# KiCad board Turbo_XT_Mainboard R3.kicad_pcb (continued)
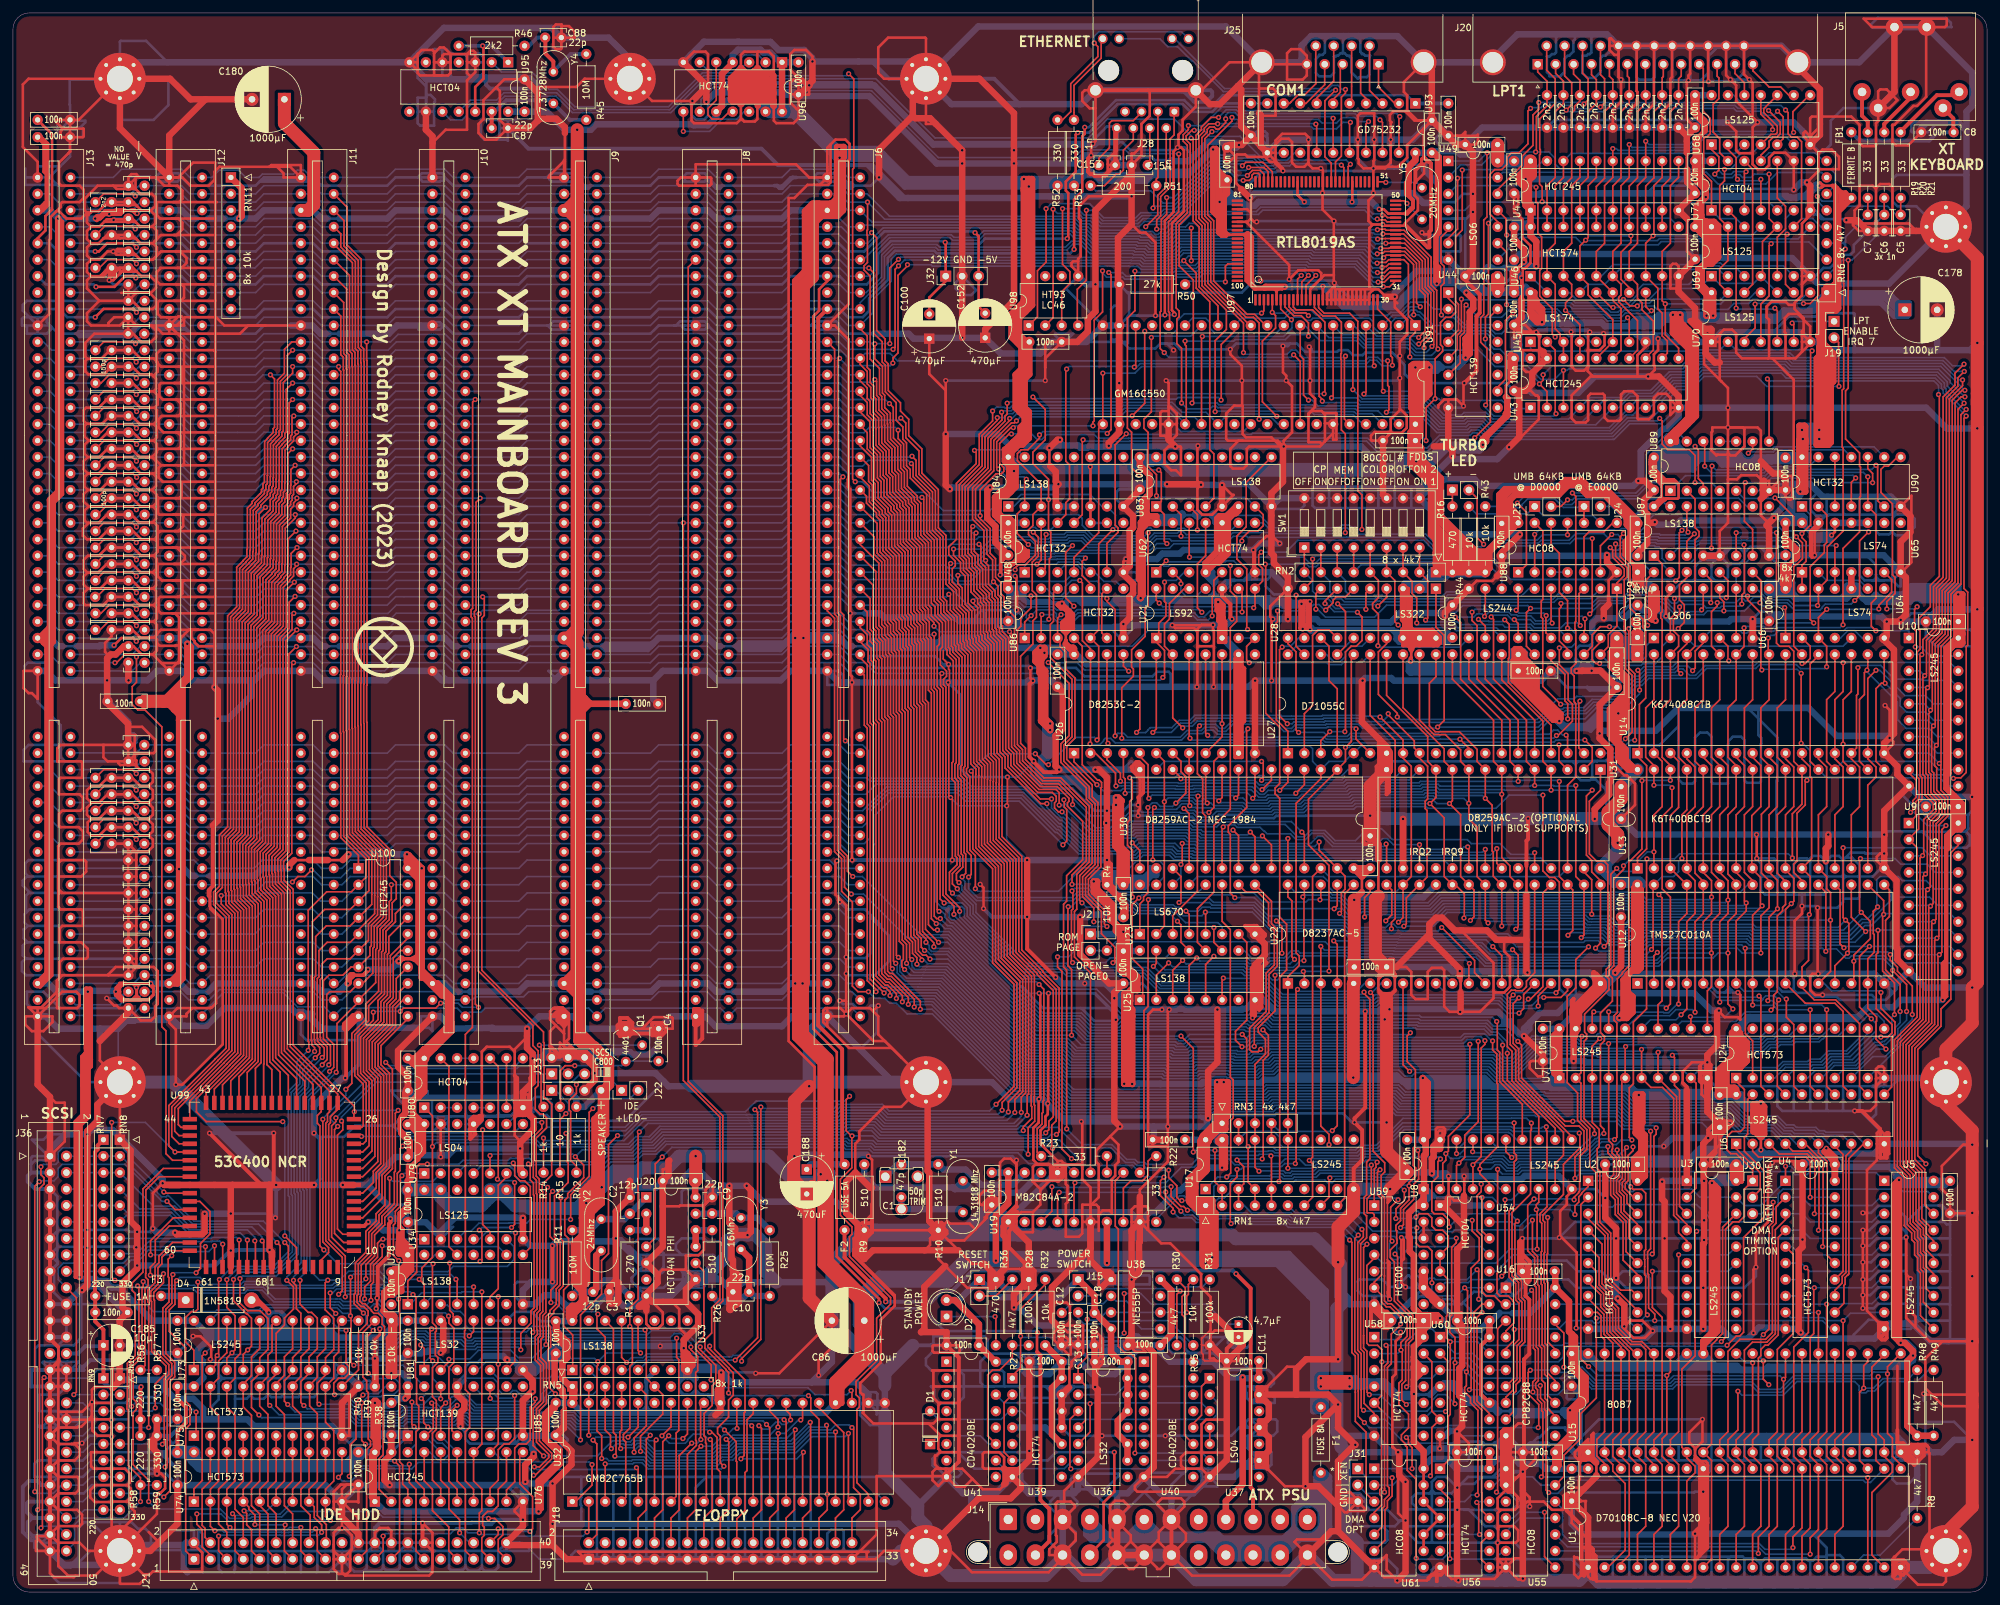
[diagram p0: board, top side]
## Routing (per net, layer and track width the routed paths; a pad name or vN(x,y) marks a point on that pad's centre or on a via; arc(x,y) is an arc through that point) (continued)
  Bottom w0.25: J6.48 128.9,177.8 127.63,179.07 120.01,179.07 118.75,177.8 J8.48 108.58,177.8 107.31,179.07 99.69,179.07 98.42,177.8 J9.48 88.26,177.8 86.99,179.07 79.38,179.07 78.1,177.8 J10.48 67.94,177.8 66.67,179.07 59.05,179.07 57.78,177.8 J11.48 47.62,177.8 46.33,179.09 v1(43.81,179.09) 38.76,179.09 37.46,177.8 J12.48 27.3,177.8 26.03,179.07 C144.1 19.68,179.07 18.41,177.8 J13.48 ; U24.18 269.56,85.41 245.04,85.41 v1(244.99,85.46) 244.62,85.09 241.94,85.09 241.66,85.37 234.68,85.37 231.33,82.02 230.19,82.02 228.82,83.38 194.31,83.38 193.57,82.64 191.69,82.64 191.18,82.14 188.57,82.14 188.43,82.27 182.3,82.27 182.01,81.98 178.69,81.98 178.42,82.25 163.57,82.25 162.17,83.65 157.16,83.65 144.24,96.57 141.06,96.57 141.05,96.58 139.94,96.58 v1(139.57,96.96)
/A15: length 511.8
  Top w0.25: U2.12 250.82,43.46 248.12,46.16 248.07,46.16 246.25,47.99 246.25,55.24 244.57,56.92 244.57,64.64 243.46,65.75 243.46,71.59 242.1,72.95 242.1,78.58 U7.2 242.1,80.17 242.1,85.66 v1(242.25,85.81) ; v1(43.36,181.61) 43.09,181.34 43.09,178.74 42.87,178.53 42.87,177.93 42,177.06 42,177 41.56,176.55 41.56,171.5 41.52,171.47 41.52,170.23 41.31,170.02 41.31,169.35 41.07,169.11 41.07,168.7 40.62,168.25 40.62,166.76 39.35,165.49 39.35,159.77 39.27,159.7 39.27,158.57 38.67,157.97 38.67,157.92 37.69,156.94 37.69,150.84 36.3,149.44 36.3,116.87 35.03,115.6 35.03,108.92 35.13,108.83 35.13,107.1 36.51,105.72 36.51,82.49 34.82,80.8 34.82,80.78 32.36,78.32 U99.41 ; v1(140.33,97.6) 140.33,97.83 139.34,98.81 139.34,100.55 138.65,101.25 138.65,136.2 138.2,136.65 138.2,145.79 137.88,146.11 137.88,148.29 137.3,148.88 137.3,150.08 136.85,150.53 136.85,160.18 135.67,161.36 135.67,166.28 135.12,166.82 135.12,167.37 133.58,168.91 133.58,171.31 133.01,171.88 133.01,175.4 131.9,176.52 131.9,179.05 130.81,180.13 J6.47
  Bottom w0.25: v1(140.33,97.6) 140.67,97.6 141.25,97.02 144.43,97.02 157.35,84.1 162.36,84.1 163.76,82.7 178.6,82.7 178.87,82.43 181.82,82.43 182.11,82.72 188.62,82.72 188.75,82.59 190.99,82.59 191.5,83.09 193.39,83.09 194.13,83.83 229.01,83.83 230.38,82.47 231.14,82.47 234.53,85.85 242.22,85.85 v1(242.25,85.81) 244.32,85.81 244.74,86.23 245.29,86.23 245.66,85.87 267.48,85.87 268.6,87 ; J6.47 128.9,180.34 127.63,181.61 120.01,181.61 118.75,180.34 J8.47 108.58,180.34 107.31,181.61 99.69,181.61 98.42,180.34 J9.47 88.26,180.34 86.99,181.61 79.38,181.61 78.1,180.34 J10.47 67.94,180.34 66.67,181.61 59.05,181.61 57.78,180.34 J11.47 47.62,180.34 46.35,181.61 v1(43.36,181.61) 38.73,181.61 37.46,180.34 J12.47 27.3,180.34 26.03,181.61 C145.1 19.53,181.61 18.26,180.34 J13.47
/A16: length 529.7
  Top w0.25: v1(192.66,83.82) 192.26,83.42 191.28,83.42 190.94,83.76 190.94,87.09 193.48,89.64 193.48,95.56 194.75,96.83 194.75,102.12 193.87,103.01 193.87,106.43 192.2,108.09 190.36,108.09 U23.10 ; U99.42 31.09,77.69 34.37,80.97 34.37,80.99 36.06,82.68 36.06,105.54 34.68,106.92 34.68,108.64 34.58,108.74 34.58,115.79 35.85,117.06 35.85,149.63 37.24,151.03 37.24,157.12 38.22,158.1 38.22,158.15 38.82,158.75 38.82,159.88 38.9,159.95 38.9,165.67 40.17,166.95 40.17,168.43 40.62,168.89 40.62,169.3 40.86,169.53 40.86,170.2 41.07,170.42 41.07,171.65 41.11,171.69 41.11,176.74 41.55,177.18 41.55,177.25 42.42,178.12 42.42,178.71 42.64,178.92 42.64,183.61 v1(43.18,184.15) ; v1(141.6,97.75) 141,98.35 140.45,98.35 139.79,99 139.79,100.74 139.1,101.44 139.1,136.39 138.65,136.84 138.65,145.98 138.33,146.3 138.33,148.48 137.75,149.06 137.75,150.26 137.3,150.71 137.3,160.37 136.12,161.54 136.12,166.46 135.57,167.01 135.57,167.55 134.03,169.09 134.03,171.49 133.46,172.06 133.46,175.59 132.35,176.71 132.35,179.23 132.31,179.27 132.31,180.73 130.81,182.23 J6.46 ; 220.34,62.23 220.76,62.65 220.76,66.2 221.23,66.67 v1(221.23,67.69) 221.63,68.09 221.63,70.38 224.95,73.69 v1(224.95,84.59) ; U2.14 250.82,49.02 248.6,51.24 248.6,57.09 247.4,58.29 247.4,60.57 246.69,61.28 246.69,64 247.14,64.46 247.14,66.93 246.26,67.81 v1(246.26,68.79)
  Bottom w0.25: v1(141.6,97.75) 144.34,97.75 157.54,84.55 162.54,84.55 163.94,83.15 178.79,83.15 179.06,82.88 181.63,82.88 181.92,83.17 188.81,83.17 188.94,83.04 190.81,83.04 191.32,83.54 192.31,83.54 193.05,84.28 224.65,84.28 v1(224.95,84.59) ; v1(221.23,67.69) 221.96,66.97 223.23,66.97 223.49,67.23 228.19,67.23 228.32,67.36 230.14,67.36 231.12,66.37 231.7,66.37 232.25,66.92 243.14,66.92 244.87,68.66 246.13,68.66 v1(246.26,68.79) ; J13.46 18.41,182.88 19.68,184.15 C146.1 26.03,184.15 27.3,182.88 J12.46 37.46,182.88 38.73,184.15 v1(43.18,184.15) 46.35,184.15 47.62,182.88 J11.46 57.78,182.88 59.05,184.15 66.67,184.15 67.94,182.88 J10.46 78.1,182.88 79.38,184.15 86.99,184.15 88.26,182.88 J9.46 98.42,182.88 99.69,184.15 107.31,184.15 108.58,182.88 J8.46 118.75,182.88 120.01,184.15 127.63,184.15 128.9,182.88 J6.46
/A17: length 524.4
  Top w0.25: J6.45 130.81,184.77 131.9,183.69 131.9,181.78 132.76,180.91 132.76,179.45 132.8,179.42 132.8,176.89 133.91,175.78 133.91,172.25 134.48,171.68 134.48,169.28 136.02,167.74 136.02,167.2 136.57,166.65 136.57,161.73 137.75,160.56 137.75,150.9 138.2,150.45 138.2,149.25 138.78,148.67 138.78,146.48 139.1,146.17 139.1,137.02 139.55,136.57 139.55,101.62 140.24,100.93 140.24,99.58 v1(140.75,99.07) ; U2.16 249.5,54.66 249.5,57.46 248.3,58.67 248.3,60.94 247.59,61.66 247.59,63.63 248.04,64.09 248.04,67.3 247.69,67.66 v1(247.69,68.27) ; U23.9 194.32,106.67 194.32,103.2 195.2,102.31 195.2,96.65 193.93,95.38 193.93,89.45 191.66,87.18 v1(191.66,84.27) ; U8.3 222.88,65.87 v1(223.26,66.24) 224.15,67.14 224.15,70.55 226.24,72.63 v1(226.24,85.04) ; v1(43.18,186.69) 42.19,185.7 42.19,179.11 41.97,178.9 41.97,178.31 41.1,177.44 41.1,177.37 40.66,176.93 40.66,171.88 40.62,171.84 40.62,170.61 40.41,170.39 40.41,169.72 40.17,169.48 40.17,169.07 39.72,168.62 39.72,167.14 38.45,165.86 38.45,160.14 38.37,160.07 38.37,158.94 37.77,158.34 37.77,158.29 36.79,157.31 36.79,151.21 35.4,149.82 35.4,117.24 34.13,115.98 34.13,108.55 34.23,108.46 34.23,106.73 35.61,105.35 35.61,82.87 33.92,81.17 33.92,81.15 29.82,77.05 U99.43
  Bottom w0.25: v1(226.24,85.04) 225.96,85.31 224.56,85.31 223.98,84.73 192.13,84.73 v1(191.66,84.27) 191.22,84.27 190.44,83.49 189.13,83.49 188.99,83.62 181.74,83.62 181.45,83.33 179.25,83.33 178.98,83.6 164.13,83.6 162.73,85 157.72,85 144.25,98.47 141.65,98.47 141.05,99.07 v1(140.75,99.07) ; v1(247.69,68.27) 247.48,68.07 245.04,68.07 244.93,67.96 244.81,67.96 243.32,66.47 232.47,66.47 231.92,65.92 230.93,65.92 229.95,66.91 228.51,66.91 228.38,66.78 223.79,66.78 v1(223.26,66.24) ; J6.45 128.9,185.42 127.63,186.69 120.01,186.69 118.75,185.42 J8.45 108.58,185.42 107.31,186.69 99.69,186.69 98.42,185.42 J9.45 88.26,185.42 86.99,186.69 79.38,186.69 78.1,185.42 J10.45 67.94,185.42 66.67,186.69 59.05,186.69 57.78,185.42 J11.45 47.62,185.42 46.35,186.69 v1(43.18,186.69) 38.73,186.69 37.46,185.42 J12.45 27.3,185.42 26.03,186.69 C147.1 19.68,186.69 18.41,185.42 J13.45
/A18: length 518.6
  Top w0.25: U23.7 190.5,100.33 190.5,88.32 188.76,86.58 188.76,85.21 v1(189.76,84.21) ; 27.3,73.03 27.3,75.81 33.02,81.53 33.02,81.55 34.71,83.24 34.71,104.98 33.33,106.36 33.33,108.08 33.23,108.18 33.23,116.35 34.5,117.61 34.5,150.19 35.89,151.59 35.89,157.68 36.87,158.66 36.87,158.71 37.47,159.31 37.47,160.44 37.55,160.51 37.55,166.83 38.27,167.55 38.27,167.81 39.72,169.26 39.72,169.67 39.96,169.9 39.96,170.58 40.17,170.79 40.17,172.02 40.21,172.06 40.21,177.11 40.65,177.56 40.65,177.62 41.52,178.49 41.52,179.09 41.74,179.3 41.74,186.77 43.18,188.21 v1(43.18,189.23) ; U2.18 249.2,60.05 249.2,61.32 248.49,62.03 248.49,63.26 248.94,63.71 248.94,68.45 v1(249.14,68.65) ; U8.4 225.43,65.97 v1(225.42,65.97) 226.69,67.25 226.69,84 227.27,84.57 v1(227.27,85.14) ; v1(140.97,100.32) 140.97,100.84 140,101.81 140,136.76 139.55,137.21 139.55,146.35 139.23,146.67 139.23,148.85 138.65,149.43 138.65,150.64 138.2,151.09 138.2,160.74 137.02,161.91 137.02,166.83 136.47,167.38 136.47,167.93 134.93,169.47 134.93,171.87 134.36,172.44 134.36,175.96 133.25,177.08 133.25,179.6 133.21,179.64 133.21,181.1 132.35,181.97 132.35,183.87 131.9,184.32 131.9,185.94 130.81,187.03 J6.44
  Bottom w0.25: v1(249.14,68.65) 247.98,67.49 246.68,67.49 246.55,67.62 245.23,67.62 245.12,67.51 244.99,67.51 243.51,66.02 232.65,66.02 232.1,65.47 230.75,65.47 229.76,66.46 228.7,66.46 228.56,66.33 225.77,66.33 v1(225.42,65.97) ; v1(227.27,85.14) 226.64,85.76 224.26,85.76 223.68,85.18 191.46,85.18 190.49,84.21 v1(189.76,84.21) 181.69,84.21 181.26,83.78 179.43,83.78 179.16,84.05 164.32,84.05 162.92,85.45 157.91,85.45 144.44,98.92 141.84,98.92 141.46,99.3 141.46,99.84 v1(140.97,100.32) ; J13.44 18.22,187.96 19.49,189.23 C148.1 26.03,189.23 27.3,187.96 J12.44 37.46,187.96 38.73,189.23 v1(43.18,189.23) 46.35,189.23 47.62,187.96 J11.44 57.78,187.96 59.05,189.23 66.67,189.23 67.94,187.96 J10.44 78.1,187.96 79.37,189.23 86.99,189.23 88.26,187.96 J9.44 98.42,187.96 99.69,189.23 107.31,189.23 108.58,187.96 J8.44 118.75,187.96 120.01,189.23 127.63,189.23 128.9,187.96 J6.44
/A19: length 710.6
  Top w0.25: v1(163.45,85.98) 163.45,96.13 162.89,96.7 162.89,105.78 v1(162.94,105.83) ; v1(43.18,191.77) 42.36,190.95 42.36,188.03 41.29,186.95 41.29,179.48 41.07,179.27 41.07,178.68 40.2,177.81 40.2,177.74 39.76,177.3 39.76,172.25 39.72,172.21 39.72,170.98 39.51,170.76 39.51,170.09 39.27,169.86 39.27,169.45 37.82,167.99 37.82,167.74 37.1,167.01 37.1,160.7 37.02,160.63 37.02,159.5 36.42,158.9 36.42,158.85 35.44,157.87 35.44,151.77 34.05,150.38 34.05,117.8 32.78,116.54 32.78,107.99 32.88,107.9 32.88,106.17 34.26,104.79 34.26,83.42 32.57,81.73 32.57,81.71 25.53,74.67 25.53,72.18 25.95,71.75 27.3,71.75 ; 227.96,62.23 227.96,63.12 226.49,64.59 v1(226.49,65.32) 226.49,66.02 229.24,68.76 229.24,78.49 229.1,78.62 229.1,83.08 228.46,83.73 v1(228.46,85.1) ; v1(142.18,99.64) 142.18,100.26 140.45,101.99 140.45,136.95 140,137.4 140,146.54 139.68,146.85 139.68,149.04 139.1,149.62 139.1,150.82 138.65,151.27 138.65,160.93 137.47,162.1 137.47,167.02 136.92,167.57 136.92,168.11 135.38,169.65 135.38,172.05 134.81,172.62 134.81,176.15 133.7,177.27 133.7,179.79 133.66,179.82 133.66,181.29 132.8,182.15 132.8,184.06 132.45,184.41 132.45,186.03 131.9,186.58 131.9,188.48 130.81,189.57 J6.43 ; v1(254.25,181.23) 254.63,180.85 254.63,177.28 255.51,176.4 258.83,176.4 259.72,175.51 v1(259.72,171.32) ; v1(212.05,182.17) 212.45,182.57 212.45,186.13 212.26,186.32 v1(212.26,190.12) ; U2.19 250.21,60.96 248.94,62.23 248.94,63.07 249.39,63.53 249.39,67.42 250.13,68.17 v1(250.13,68.73)
  Bottom w0.25: v1(212.26,190.12) 211.26,190.12 210.72,190.66 209.33,190.66 208.8,190.13 173.87,190.13 173.86,190.12 136.59,190.12 135.44,191.26 131.57,191.26 J6.43 129.03,190.5 127.76,191.77 120.01,191.77 118.75,190.5 J8.43 108.58,190.5 107.31,191.77 99.69,191.77 98.42,190.5 J9.43 88.26,190.5 86.99,191.77 79.38,191.77 78.1,190.5 J10.43 67.94,190.5 66.67,191.77 59.05,191.77 57.78,190.5 J11.43 47.62,190.5 46.35,191.77 v1(43.18,191.77) 38.73,191.77 37.46,190.5 J12.43 27.3,190.5 26.03,191.77 C149.1 19.68,191.77 18.41,190.5 J13.43 ; v1(212.05,182.17) 216.74,182.17 219.85,179.05 224.78,179.05 225.17,179.44 226.35,179.44 227.35,178.44 247.02,178.44 249.44,180.85 253.88,180.85 v1(254.25,181.23) ; v1(228.46,85.1) 228.33,85.1 227.22,86.21 224.07,86.21 223.5,85.63 191.28,85.63 190.58,84.94 181.78,84.94 181.07,84.23 179.62,84.23 179.35,84.5 164.94,84.5 v1(163.45,85.98) 158.01,85.98 144.61,99.39 142.44,99.39 v1(142.18,99.64) ; U23.6 186.69,102.73 186.04,103.38 181.04,103.38 179.57,104.84 179.17,104.84 178.79,105.23 173.41,105.23 172.95,105.69 172.13,105.69 171.58,106.23 166.54,106.23 165.51,107.26 164.84,107.26 163.41,105.83 v1(162.94,105.83) ; v1(226.49,65.32) 228.19,65.32 228.88,66.01 229.58,66.01 230.56,65.02 232.29,65.02 232.84,65.57 243.69,65.57 245.18,67.06 245.31,67.06 245.41,67.17 246.37,67.17 246.65,66.88 248.84,66.88 250.13,68.17 v1(250.13,68.73) ; v1(259.72,171.32) 262.25,171.32 U89.4
/AA8: length 57.8
  Top w0.25: U1.8 262.25,5.08 262.25,20.32 U15.8 262.25,22.86 262.25,38.14 263.05,38.94 263.05,39.03 263.97,39.95 263.97,56.32 U3.18
/AA9: length 60.4
  Top w0.25: U1.7 258.44,17.14 259.71,18.42 259.71,19.43 258.44,20.7 U15.7 257.68,22.35 257.68,34.42 259.72,36.46 259.72,55.47 v1(259.95,55.7)
  Bottom w0.25: v1(259.95,55.7) 260.14,55.88 U3.17
/AA10: length 59.3
  Top w0.25: v1(257.18,52.07) 257.18,24.76 255.9,23.5 U15.6 255.9,20.95 257.18,19.69 257.18,10.16 255.9,8.89 U1.6
  Bottom w0.25: v1(257.18,52.07) 264.79,52.07 U3.16
/AA11: length 61.4
  Top w0.25: v1(253.13,49.53) 253.13,43.93 254.63,42.42 254.63,24.76 253.37,23.5 U15.5 253.37,20.95 254.63,19.69 254.63,10.16 253.37,8.89 U1.5
  Bottom w0.25: v1(253.13,49.53) 264.79,49.53 U3.15
/AA12: length 58.2
  Top w0.25: U2.4 245.35,53.74 245.35,47.61 246.5,46.46 246.5,44.58 247.45,43.63 247.45,40.56 249.78,38.23 251.33,38.23 252.09,37.46 252.09,24.76 250.82,23.5 U15.4 250.82,20.95 252.09,19.69 252.09,10.16 250.82,8.89 U1.4
/AA13: length 51.2
  Top w0.25: U2.6 244.45,49.56 244.45,47.24 245.6,46.09 245.6,44.21 246.55,43.26 246.55,40.19 249.56,37.18 249.56,24.76 248.28,23.5 U15.3 248.28,20.95 249.56,19.69 249.56,5.71 248.28,4.44 U1.3
/AA14: length 46.9
  Top w0.25: U1.2 246.25,3.81 248.92,6.48 248.92,16.76 247.01,18.67 247.01,19.69 245.75,20.95 U15.2 245.75,23.5 247.01,24.76 247.01,38.45 245.65,39.82 245.65,42.89 243.2,45.33 U2.8
/AA15: length 27
  Top w0.25: U1.39 245.75,19.84 244.56,21.03 244.56,23.58 245.75,24.76 U15.39 245.75,38.99 245.2,39.53 245.2,42.64 244.66,43.18 U2.9
/AA16: length 32.4
  Top w0.25: U2.7 243.2,47.85 245.15,45.9 245.15,44.02 246.1,43.07 246.1,40 248.28,37.82 U15.38 248.28,24.76 247.01,23.5 247.01,20.95 248.28,19.69 U1.38
/AA17: length 38.7
  Top w0.25: U1.37 250.82,19.69 249.56,20.95 249.56,23.5 250.82,24.76 U15.37 250.54,36.83 247,40.37 247,43.45 246.05,44.39 246.05,46.27 244.9,47.43 244.9,51.65 U2.5
/AA18: length 45.5
  Top w0.25: U1.36 253.37,19.69 252.09,20.95 252.09,23.5 253.37,24.76 U15.36 251.52,38.68 249.97,38.68 247.9,40.75 247.9,43.82 246.95,44.77 246.95,46.65 245.8,47.8 245.8,55.05 243.2,57.64 U2.3
/AA19: length 58.6
  Top w0.25: U15.35 255.9,33.99 v1(255.36,33.44) 255.36,24.41 254.63,23.69 254.63,20.95 255.9,19.69 U1.35 ; v1(243.28,34.82) 242.08,36.02 242.08,59.83 U2.2
  Bottom w0.25: v1(255.36,33.44) 244.65,33.44 v1(243.28,34.82)
/AD0: length 56
  Top w0.25: v1(282.57,41.91) 282.57,24.76 281.31,23.5 U15.16 281.31,20.95 282.57,19.69 282.57,10.16 281.31,8.89 U1.16
  Bottom w0.25: U5.9 286.73,43.18 286.6,43.05 283.72,43.05 v1(282.57,41.91) 280.04,41.91 279.57,42.38 274.48,42.38 U4.9
/AD1: length 58.5
  Top w0.25: U1.15 278.76,8.51 280.03,9.78 280.03,19.69 278.76,20.95 U15.15 278.76,23.5 280.03,24.76 v1(280.03,44.45)
  Bottom w0.25: U4.8 276.22,45.72 277.5,44.45 282.32,44.45 282.41,44.54 287.05,44.54 288.23,45.72 U5.8
/AD2: length 61.3
  Top w0.25: U1.14 276.22,8.64 277.5,9.91 277.5,19.69 276.22,20.95 U15.14 276.22,23.5 277.5,24.76 277.5,39.37 278.04,39.91 278.04,46.9 v1(278.13,46.99)
  Bottom w0.25: U4.7 276.22,48.26 277.5,46.99 v1(278.13,46.99) 287.02,46.99 288.29,48.26 U5.7
/AD3: length 65.2
  Top w0.25: U1.13 273.69,8.89 274.95,10.16 274.95,19.69 273.69,20.95 U15.13 273.69,23.5 274.95,24.76 274.95,37.82 277.22,40.08 277.22,49.68 v1(276.82,50.08)
  Bottom w0.25: U5.6 288.35,50.8 287.08,49.53 277.37,49.53 v1(276.82,50.08) 276.1,50.8 U4.6
/AD4: length 68.9
  Top w0.25: U1.12 271.14,8.89 272.41,10.16 272.41,19.69 271.14,20.95 U15.12 271.14,23.5 272.41,24.76 272.41,37.47 274.86,39.92 274.86,52.16 U4.5
  Bottom w0.25: U4.5 274.7,53.34 275.97,52.07 287.02,52.07 288.29,53.34 U5.5
/AD5: length 71.8
  Top w0.25: U4.4 272.56,54.75 272.56,39.71 270.98,38.13 270.54,38.13 269.88,37.46 269.88,36.5 269.5,36.12 269.5,24.39 268.6,23.5 U15.11 268.6,20.95 269.88,19.69 269.88,10.16 268.6,8.89 U1.11
  Bottom w0.25: U4.4 276.22,55.88 277.5,54.61 287.02,54.61 288.29,55.88 U5.4
/AD6: length 76.4
  Top w0.25: U4.3 273.69,57.53 272.11,55.95 272.11,39.9 270.79,38.58 268.57,38.58 267.33,37.34 267.33,24.76 266.06,23.5 U15.10 266.06,20.95 267.33,19.69 267.33,10.16 266.06,8.89 U1.10
  Bottom w0.25: U4.3 276.22,58.42 277.5,57.15 287.02,57.15 288.29,58.42 U5.3
/AD7: length 81
  Top w0.25: U1.9 263.52,8.89 264.79,10.16 264.79,19.69 263.52,20.95 U15.9 263.52,23.5 264.79,24.76 264.79,37.17 266.65,39.03 270.6,39.03 271.66,40.08 271.66,56.39 272.23,56.96 272.23,59.51 U4.2
  Bottom w0.25: U4.2 276.22,60.96 277.5,59.69 287.02,59.69 288.29,60.96 U5.2
/AEN: length 601.7
  Top w0.25: v1(143.19,103.99) 142.62,103.99 142.25,104.37 142.25,138.99 141.8,139.45 141.8,147.28 141.48,147.6 141.48,149.78 140.9,150.37 140.9,151.57 140.45,152.02 140.45,161.67 139.27,162.85 139.27,167.77 138.72,168.32 138.72,168.86 137.18,170.4 137.18,172.8 136.61,173.37 136.61,176.9 135.5,178.01 135.5,180.54 135.46,180.57 135.46,182.03 134.6,182.9 134.6,184.81 134.25,185.16 134.25,189.26 133.07,190.44 v1(133.07,192.75) ; v1(230.73,83.19) 230.73,79.02 238.12,71.62 U8.12 ; v1(54.61,193.04) 54.61,190.22 54.67,190.16 54.67,140.04 54.61,139.98 54.61,134.34 54.67,134.28 54.67,118.18 58.17,114.68 58.17,110.62 59.18,109.6 59.18,107.06 58.55,106.43 58.55,103.63 57.13,102.22 57.13,99.05 56.91,98.83 56.91,92.54 54.92,90.54 54.92,88.21 52.77,86.07 52.77,79.74 54.08,78.43 54.08,71.99 53.85,71.75 U99.25 ; U97.34 212.46,204.44 212.26,204.24 212.24,204.24 211.74,203.74 v1(210.67,203.74) ; v1(136.72,205.79) 135.38,204.46 v1(135.38,192.79) ; v1(180.77,205.59) 182.7,203.67 182.7,201.34 184.78,199.25 184.78,176.4 185.42,175.77 185.42,168.91 U83.4
  Bottom w0.25: v1(136.72,205.79) 137.07,206.14 141.84,206.14 142.34,205.64 172.65,205.64 172.69,205.61 174.06,205.61 174.52,205.14 178.65,205.14 178.83,205.31 180.49,205.31 v1(180.77,205.59) 181.49,206.31 200.2,206.31 200.55,205.96 207.79,205.96 210,203.74 v1(210.67,203.74) ; v1(135.38,192.79) 133.11,192.79 v1(133.07,192.75) 133.03,192.79 132.59,192.79 132.33,193.04 J6.42 128.9,193.04 127.63,194.31 120.01,194.31 118.75,193.04 J8.42 108.58,193.04 107.31,194.31 99.69,194.31 98.42,193.04 J9.42 88.26,193.04 86.99,194.31 79.38,194.31 78.1,193.04 J10.42 67.94,193.04 66.78,194.2 59.45,194.2 58.29,193.04 v1(54.61,193.04) J11.42 47.6,193.04 46.33,194.31 38.73,194.31 37.46,193.04 J12.42 27.3,193.04 26.03,194.31 C105.2 19.64,193.68 18.76,193.68 18.12,193.04 J13.42 ; v1(230.73,83.19) 230.73,84.94 229.19,86.48 228.23,86.48 227.34,87.36 216.93,87.36 216.75,87.54 212.63,87.54 212.34,87.25 194.27,87.25 193.53,87.99 192.47,87.99 191.95,87.47 190.85,87.47 190.59,87.74 171.36,87.74 170.82,87.2 166.55,87.2 164.79,88.96 158.86,88.96 144.92,102.9 144.29,102.9 v1(143.19,103.99)
/AENBRD: length 225.8
  Top w0.25: U4.1 v1(273.69,65.75) ; U59.4 210.19,51.56 209.04,50.42 209.04,38.42 209.37,38.1 210.69,38.1 211.36,37.43 v1(211.36,35.56) 211.32,35.51 211.32,30.34 U58.5 211.31,28.08 211.31,16.04 211.04,15.77 211.04,15.08 211.31,14.81 211.31,13.43 210.19,12.3 U61.4 ; v1(235.33,52.96) 235.33,58.93 v1(235.2,59.06) 235.2,59.82 235.58,60.2 235.58,62.23 ; v1(295.36,66.12) 294.1,67.38 294.1,83.79 297.69,87.38 297.69,90.04 299.21,91.57 299.21,114.17 300.35,115.32 U9.19 ; U2.1 243.2,62.61 242.19,61.6 242.19,61.47 241.77,61.04 241.77,60.23 241.17,59.63 v1(241.17,58.3)
  Bottom w0.25: v1(273.69,65.75) 274.49,65.75 275.32,64.91 276.84,64.91 277.47,65.54 279.14,65.54 280.76,67.17 281.85,67.17 282.49,66.52 294.96,66.52 v1(295.36,66.12) ; v1(211.36,35.56) 221.64,35.56 222.23,36.14 224.84,36.14 226.69,34.29 U60.12 U16.6 ; v1(235.33,52.96) 231.14,52.96 228.98,50.8 211.45,50.8 U59.4 ; U2.1 247.78,63.5 249.42,61.85 250.12,61.85 250.5,62.23 259.21,62.23 260.48,60.96 U3.19 267.33,59.69 269.88,59.69 U4.1 ; v1(241.17,58.3) 240.41,59.06 v1(235.2,59.06)
/ALE: length 403.7
  Top w0.25: v1(231.8,40.55) 231.8,38.89 230.5,37.6 U16.5 ; v1(142.23,147.93) 142.25,147.91 142.25,139.63 142.7,139.18 142.7,105.39 v1(142.99,105.1) ; v1(19.07,149.22) 18.43,149.86 14.73,149.86 13.46,148.59 C121.2 ; v1(240.84,72.69) 239.6,72.69 232.93,79.36 232.93,84.46 v1(232.35,85.03) ; v1(252.86,71.17) 252.86,53.02 252.39,52.55 252.39,51.54 252.4,51.53 252.4,49.17 252.55,49.02 252.55,43.87 253.49,42.92 v1(253.49,41.91)
  Bottom w0.25: v1(240.84,72.69) 247.48,72.69 248.67,71.5 252.52,71.5 v1(252.86,71.17) ; v1(142.23,147.93) 142.13,147.83 132.21,147.83 131.43,148.61 128.89,148.61 127.63,149.86 J6.28 120.01,149.86 118.75,148.59 108.58,148.59 107.31,149.86 J8.28 99.69,149.86 98.42,148.59 88.26,148.59 86.99,149.86 J9.28 79.38,149.86 78.1,148.59 67.94,148.59 66.67,149.86 J10.28 59.05,149.86 57.78,148.59 47.62,148.59 46.35,149.86 J11.28 38.73,149.86 37.46,148.59 27.3,148.59 26.03,149.86 J12.28 19.71,149.86 v1(19.07,149.22) ; v1(142.99,105.1) 143.43,105.1 143.9,104.63 143.9,104.2 144.75,103.35 145.1,103.35 159.04,89.41 164.97,89.41 166.73,87.65 170.64,87.65 171.17,88.19 190.79,88.19 191.05,87.92 191.77,87.92 192.28,88.44 193.72,88.44 194.45,87.7 212.15,87.7 212.44,87.99 216.94,87.99 217.11,87.81 227.52,87.81 228.41,86.93 230.46,86.93 v1(232.35,85.03) ; v1(231.8,40.55) 231.89,40.64 238.63,40.64 239.9,41.91 243.78,41.91 244.13,41.57 244.82,41.57 245.17,41.91 249.43,41.91 250.7,40.64 U2.11 252.09,41.91 v1(253.49,41.91) 279.4,41.91 280.67,40.64 U4.11 ; J13.28 5.71,149.86 6.98,148.59 C121.2
/BA0: length 403.9
  Top w0.25: v1(151.26,182.37) 151.26,180.85 149.19,178.78 149.19,174.08 146.12,171.01 146.12,159.83 146.75,159.19 146.75,157.8 147.47,157.08 147.47,152.7 148.49,151.68 148.49,147.56 148.71,147.34 148.71,146.66 149.68,145.68 149.68,128.63 150.48,127.84 150.48,125.53 150.46,125.5 150.46,115.68 153.51,112.63 153.51,98.21 156.81,94.91 156.81,76.9 156.59,76.68 v1(156.59,73.63) ; v1(64.81,35.71) 64.41,36.11 64.41,40.41 v1(64.64,40.64) ; v1(96.71,71.05) 96.52,70.85 96.52,45.21 95.24,43.93 v1(95.24,41.01) 95.64,40.61 95.64,35.27 95.25,34.88 95.25,25.33 94.25,24.33 94.25,23.56 94.61,23.19 94.61,14.61 U32.4 ; v1(66.04,29.85) U85.14 ; v1(61.59,29.34) 61.59,25.87 v1(61.93,25.53) ; U97.5 194.44,197.62 v1(194.44,197.61) 194.94,197.1 194.94,195.18 194.22,194.45 194.2,194.45 192.91,193.17 192.91,183.79 v1(195.15,181.56)
  Bottom w0.25: v1(195.15,181.56) 194.79,181.92 187.63,181.92 186.06,180.34 184.22,182.18 180.51,182.18 178.98,183.7 171.25,183.7 170.81,183.27 154.37,183.27 153.96,182.85 153.17,182.85 153.06,182.97 151.85,182.97 v1(151.26,182.37) ; v1(61.93,25.53) 62.23,25.23 62.23,22.86 U76.18 ; v1(194.44,197.61) 194.56,197.49 196.47,197.49 196.98,197.99 200.41,197.99 201.24,197.16 212.17,197.16 212.22,197.1 212.72,197.61 214.24,197.61 215.82,199.19 218.26,199.19 219.33,198.12 U44.2 221.74,198.12 224.15,195.71 229.11,195.71 U44.14 ; 69.85,41.02 69.98,41.02 70.82,40.18 79.3,40.18 80.15,41.03 82.96,41.03 83.2,40.78 83.35,40.78 83.5,40.64 84.3,40.64 84.39,40.73 94.96,40.73 v1(95.24,41.01) ; 69.85,41.02 69.47,40.64 v1(64.64,40.64) ; 69.85,41.02 69.85,42.55 69.07,43.32 68.04,43.32 67.06,44.31 66.18,44.31 U78.3 ; v1(96.71,71.05) 98.04,72.37 113.84,72.37 113.84,72.37 127.72,72.37 128.41,73.06 133.31,73.06 134.44,71.93 154.89,71.93 v1(156.59,73.63) ; v1(61.59,29.34) 61.98,28.96 63.37,28.96 64.59,30.17 65.71,30.17 v1(66.04,29.85) ; U85.14 64.81,32.98 v1(64.81,35.71)
/BA1: length 411.5
  Top w0.25: J21.33 67.29,6.37 67.29,10.05 64.77,12.57 64.77,15.88 63.5,17.14 U76.17 ; v1(183.64,193.89) 183.51,193.77 U91.27 ; U97.7 195.75,198.11 v1(197.39,196.46) ; U79.5 v1(73.66,67.39) ; v1(86.83,67.22) 88.12,65.93 88.12,63.99 85.66,61.53 85.66,60.97 85.2,60.51 85.2,55.18 85.79,54.59 85.79,47.41 85.03,46.65 85.03,41.08 86.42,39.69 86.42,34.35 U33.1 ; v1(159.46,70.92) 159.94,71.4 159.94,72.7 160.62,73.38 160.62,92.89 158.16,95.34 158.16,95.47 154.86,98.77 154.86,113.19 151.81,116.24 151.81,124.95 151.83,124.97 151.83,128.4 151.03,129.19 151.03,146.24 150.06,147.21 150.06,147.9 149.84,148.12 149.84,152.41 149.39,152.86 149.39,153.58 148.37,154.61 148.37,157.45 147.65,158.17 147.65,159.57 147.02,160.2 147.02,170.64 150.09,173.7 150.09,178.38 152.71,181 152.71,182.13 v1(152.64,182.19) ; v1(64.07,25.49) 63.42,26.13 63.42,29.5 v1(63.05,29.88)
  Bottom w0.25: U44.13 229.24,193.33 227.81,194.76 222.43,194.76 U44.3 219.33,195.58 217.2,197.71 216.88,197.71 216.63,197.96 215.86,197.96 214.61,196.71 213.45,196.71 212.72,195.98 212.72,195.18 211.98,194.44 210.93,194.44 210.04,195.33 210.04,196.12 209.46,196.71 200.7,196.71 200.37,196.37 199.63,196.37 199.14,196.86 197.79,196.86 v1(197.39,196.46) 197.49,196.37 197.49,195.18 196.19,193.89 v1(183.64,193.89) ; v1(64.07,25.49) 64.77,24.78 64.77,23.73 65.5,23 66.29,23 67.31,21.99 67.31,21.21 66.56,20.46 65.5,20.46 64.37,21.59 U76.17 ; U91.27 182.38,181.47 180.57,181.47 178.79,183.25 171.44,183.25 171,182.82 154.56,182.82 154.15,182.4 152.85,182.4 v1(152.64,182.19) ; v1(63.05,29.88) 63.79,30.62 69.83,30.62 71.52,28.94 80.75,28.94 81.65,29.83 81.65,30.63 85.31,34.29 U33.1 ; v1(159.46,70.92) 159.08,70.54 133.92,70.54 132.75,71.71 128.97,71.71 128.28,71.02 114.4,71.02 114.4,71.02 100.23,71.02 98.63,69.42 96.55,69.42 95.4,68.28 87.89,68.28 v1(86.83,67.22) 86.43,67.62 73.89,67.62 v1(73.66,67.39)
